# Altium PCB PCB.PcbDoc (part 2 of 10)
Units mil, origin at the board's own origin, x right, y up, seen from the top; angles counter-clockwise.
Board outline 3945.89 x 2165.35 mil, 8 copper layers (Component Side, PWR, Signal 1, Signal 2, GND1, Signal 3, GND2, Solder Side), stack 68.504 mil thick; 329 components, 323 nets, 1378 pads, 692 vias.
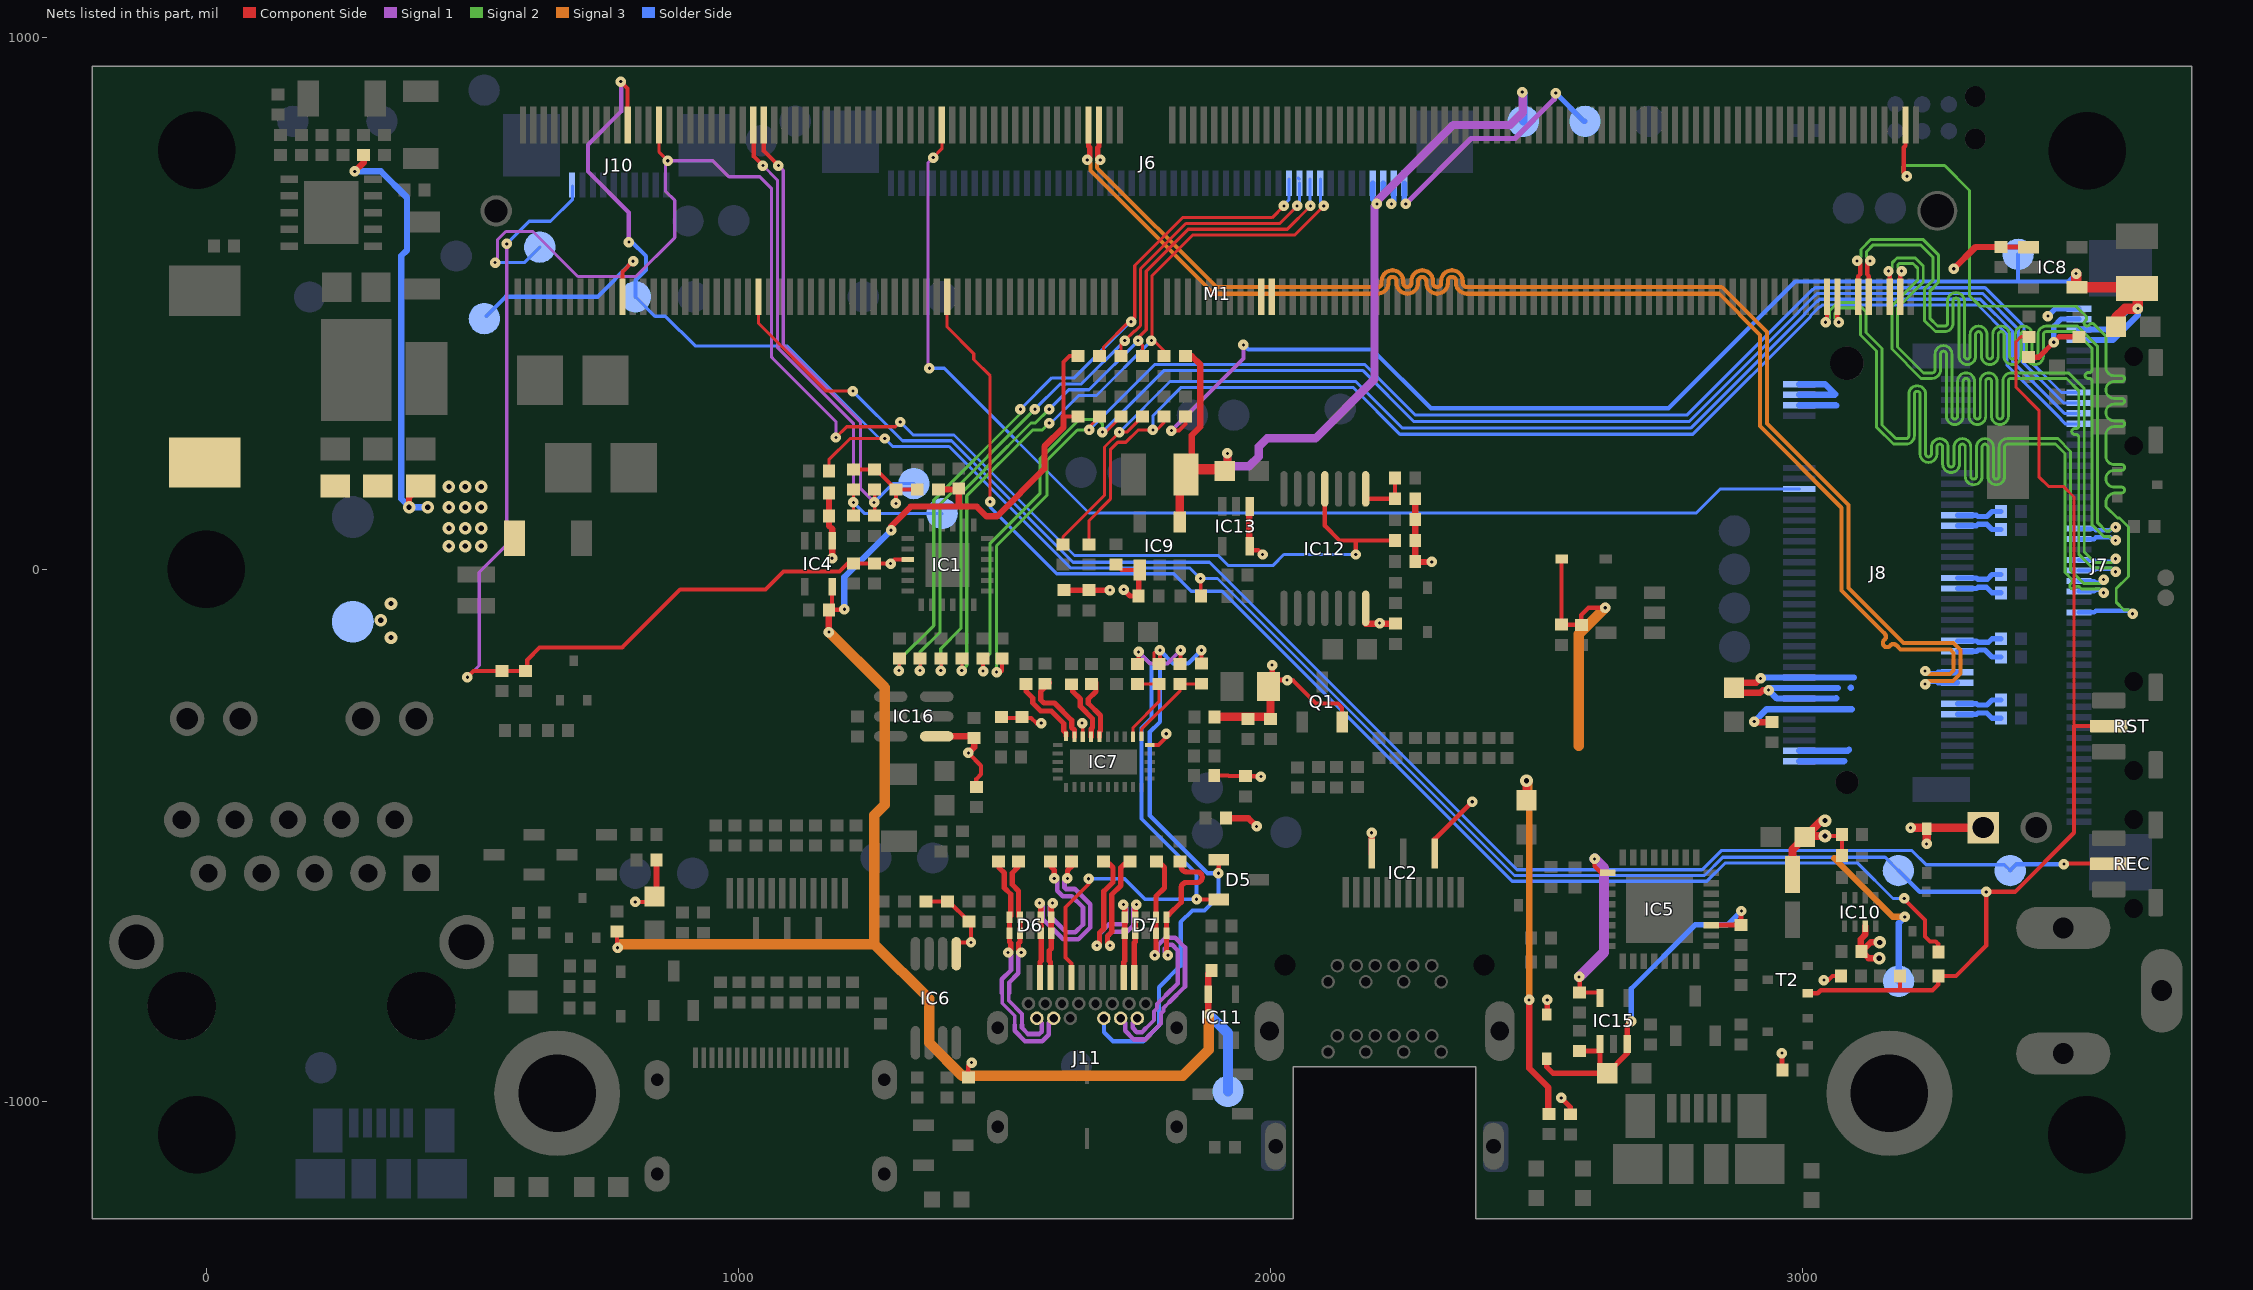
[diagram p8: the nets of this part, all layers, seen from the top]

## Part data
BAT1: library part battery, "Rechargeable Battery, Coin Cell, Single Cell, 3 V, Lithium Manganese Dioxide, 5.5 mAh, Button Cell"
BOOT LED1 NVME PWR USER: library part LED, "LED Green 0603 case"
C1 C2 C3 C4 C55 C57 C62: library part C_4u7_0402, "MLCC SMT Capacitor 4.7uF 0402"
C5 C6 C7 C8 C9 C12 C19 C26 C27 C30 C33 C36 C37 C38 C39 C40 C42 C43 C44 C45 C46 C48 C49 C50 C51 C52 C53 C54 C68 C69 C70 C71 C72 C73 C74 C75 C76 C77 C78 C79 C80: library part C_100n_0402, "MLCC SMT Capacitor 100n 0402"
C10 C11: library part C_330u_KEMET_B, "Tantalum SMT Capacitor 330uF Case KEMET_B"
C13 C24: library part C_10n_0402, "MLCC SMT Capacitor 10 nF 0402"
C14: library part C_100p_0805, "MLCC SMT Capacitor 100pF 0805"
C15 C29 C64: library part C_47p_0402, "MLCC SMT Capacitor 47pF 0402"
C16 C17 C18 C34: library part C_47u_0805, "MLCC SMT Capacitor 47uF 0805"
C21 C22 C23: library part C_2u2_1206, "MLCC SMT Capacitor 2.2uF 1206"
C25: library part C_4n7_0402, "MLCC SMT Capacitor 4.7 nF 0402"
C28 C32 C66: library part C_1u_0402, "MLCC SMT Capacitor 1uF 0402"
C31: library part C_100u_1206, "MLCC SMT Capacitor 100uF 1206"
C35 C47 C56 C58 C60 C63: library part C_10u_0603, "MLCC SMT Capacitor 10uF 0603"
C41: library part C_47n_0402, "MLCC SMT Capacitor 47nF 0402"
C59 C65 C67: library part C_2u2_0402, "MLCC SMT Capacitor 2.2uF 0402"
C61: library part C_100p_0402, "MLCC SMT Capacitor 100pF 0402"
D1: library part "Diode Schottky", "DIODE SCHOTTKY 60V 7A POWERDI5"
D2 D4 D13 D14 D15 D17: library part diode, "Diode small signal"
D3 D5 D8 D9 D10 D11 D12: "DIODE, SCHOTTKY, 30V, 200MA, SOT-23"
D6 D7: "ESD Suppressors 4-CH"
F1: library part Fuse, "PTC RESET 6V LO RHO 1206 4.50A"
FAN: library part molex_2223-2021, "Pinhead connector with key"
IC1: library part TCA9548A, "TCA9548ARGER  I2C SWITCH W/ RESET, 8-CH, VQFN-24"
IC2 IC18: "8-Channel ESD Protection for DisplayPort and HDMI"
IC3: library part TPS54561, "IC REG BCK SPLIT RAIL ADJ 10WSON"
IC4 IC15: library part TLV700, "Voltage Regulator, 2V to 5.5V, 175mV Dropout, 1.8Vout, 200mAout"
IC5: "USB to serial UART interface"
IC6: library part PCA9517ADP, "IC REDRIVER I2C 1CH 8TSSOP"
IC7: "IC DRP PORT CTLR USB-C 30WQFN"
IC8 IC9: library part LM3671, "DC/DC Buck Converter"
IC10: library part TPS62823, "IC REG BUCK ADJ 1A 8VSON-HR"
IC11: library part SN74LV1T125, "Buffer, 74LV1T125, 1.6 V to 5.5 V, SOT-23-5"
IC12: library part 74HC00PW, "2 NAND Gate, 4 channel"
IC13: library part SN74LVC1G126, "Buffer, tri-state"
IC16: "POWER LOAD SWITCH, HIGH SIDE"
IC17: library part AT24CS01, "EEPROM Serial-I2C 1K-bit 128 x 8 1.8V/2.5V/3.3V/5V"
J1: library part WE_685119136923, "CONN HDMI FEMALE R/A 19POS 2.6MM"
J2: library part miniDP, "Mini Displayport Reverse Offset"
J3: library part WE_7499111447, "LAN-Transformer WE-RJ45LAN 10/100/1000 BaseT"
J4: "DC Power Connector, Jack, 5 A, 2 mm, PCB Mount, Through Hole"
J5 J9: library part "Micro USB B", "USB - micro B Receptacle Connector 5 Position Surface Mount, Right Angle, Horizontal"
J6: "0.50mm SMT ZIF Horizontal Bottom Contact WR-FPC"
J7: "0.50mm SMT ZIF Horizontal Top Contact WR-FPC"
J8: "CONN FEMALE 67POS 0.020 GOLD"
J10: "Flex tape connector, Horizontal, ZIF, 10 contacts"
J11: library part WE_632723100011, "USB 3.1 Type C Receptacle Horizontal THR WR-COM"
L1: library part WE_7447798720, "Fixed Inductors WE-PDF 1064 7.2uH 7.9A 12.8mOhm"
L2 L3: "MURATA  BLM18EG221SN1D  FERRITE BEAD, 0.05OHM, 2A, 0603"
L4 L6: "INDUCTOR, 2.2 ?H, ? 30%, 1212, 90 MHz, 0.073 ohm"
L5: "FIXED IND 470NH 6.7A 15 MOHM SMD"
L7 L8 L9 L10: "FERRITE BEAD, 0.025OHM, 3A, 0603"
M1: library part jetson-nano-new-release
M2: library part jetson-nano-module
Q1: library part PMOS, "P CH, 20V, 4A"
R1 R2 R3 R4 R7 R8 R9 R10: library part R_5R6_0402, "RES, 5R6, 0402"
R5 R6 R11 R18 R22 R24 R25 R27 R28 R29 R33 R34 R35 R37 R55 R69 R70 R73 R81 R83 R88: library part R_2k_0402, "RES, 2k, 0402"
R12 R13 R15 R17 R19 R21 R23 R39 R42 R47 R49 R56 R57 R58 R59 R60 R61 R62 R63 R64 R65 R66 R68 R71 R75 R78 R79 R80 R82 R89 R91 R92 R98 R99 R103 R104 R105 R106 R107 R108 R109 R110 R129 R130 R132: library part R_0R_0402, "RES, 0R, 0402"
R14 R43 R97 R111: library part R_470R_0402, "RES, 470R, 0402"
R16 R36 R87: library part R_1k_0402, "RES, 1k, 0402"
R20 R41: library part R_22R_0402, "RES, 22R, 0402"
R26 R30 R77 R100 R101 R113 R119: library part R_100k_0402, "SMT Resistor 100k 0402"
R31 R32: library part R_1M_0402, "SMT Resistor 1M 0402"
R38 R40 R128: library part R_220R_0402, "RES, 220R, 0402"
R44 R134: library part R_243k_0402, "RES, 243k, 0402"
R45: library part R_49R9_0402, "RES, 49R9, 0402"
R46 R135: library part R_53k6_0402, "RES, 53k6, 0402"
R48: library part R_16k9_0402, "RES, 16k9, 0402"
R50 R52: library part R_10k2_0402, "RES, 10k2, 0402, 0.1%"
R51: library part R_909k_0402, "RES, 909k, 0402"
R53 R67 R84 R86: library part R_200k_0402, "RES, 200k, 0402"
R54 R72 R76 R90 R93 R94 R95 R96 R102 R112 R114 R115 R116 R131: library part R_10k_0402, "RES, 10k, 0402"
R85: library part R_470k_0402, "SMT Resistor 470k 0402"
REC RST USR: "E-SWITCH  TL3340AF160QG  SWITCH, TACTILE SPST 50mA, SMD GULL WING"
SP1 SP2 SP3 SP4 SP5 SP6: library part SPACER, "M2.5-6mm"
SP7: "RND STANDOFF M2.5X0.45 STEEL 4MM"
T1 T2 T3 T4 T5 T6: library part NMOS, "MOSFET, N CH, 60V, 0.2A"
TP1 TP2 TP3 TP4 TP5 TP6 TP7 TP8 TP9 TP10 TP11 TP12 TP13 TP14 TP15 TP16 TP17 TP18 TP19 TP20 TP21 TP22 TP23 TP24 TP25 TP26 TP27 TP28 TP29 TP31 TP32 TP33 TP34 TP35 TP36 TP37 TP38 TP39 TP40 TP41 TP42 TP43 TP44 TP45 TP47: "Testpad, round, 1.5mm"

## Free pads (board coordinates)
  round 78.74 smd far side: 0(275.59,-98.43) 0(275.59,98.43)
  rrect50% 47.24x94.49 smd far side: 0(2005.82,-1083.3) 0(2423.45,-1084.96)

## Via types
v1: diameter 19.68, hole 5.91, Component Side to Solder Side, 599 vias
v2: diameter 23.62, hole 9.84, Component Side to Solder Side, 90 vias
v3: diameter 19.68, hole 7.87, Component Side to Solder Side, 3 vias

## Nets (pads, with @x,y where several pads share a name; then routed paths per layer and width w, separated by ;. In a path a pad name is that pad's centre, name@x,y a point inside that pad or via, vN(x,y) a via of type N, cw(c..) or ccw(c..) an arc to the next point about the centre after c; other vN are vias at no path point)
1V8_DBG: C66.2 IC5.1 IC15.5 | length 370
  Component Side w7.87: v1(2580.33,-766) 2581.33,-767 C66.2@2581.33,-795.1 2619.33,-795.1 IC15.5@2619.33,-805.38 ; v1(2609.33,-544) 2609.33,-558 2621.43,-570.1 IC5.1@2633.89,-570.1
  Signal 1 w19.68: v1(2580.33,-766) 2627,-719.33 2627,-561.67 v1(2609.33,-544)
1V8_SYS: C5.2 C28.2 IC4.5 IC11.5 R23.2 R79.2 R81.1 R112.1 R114.2 TP47.1 | length 3272.7
  Component Side w7.87: R81.1@772.33,-680.9 772.33,-710 v1(773.33,-711) ; IC4.5@1176.33,-32.61 1176.33,-69.9 C28.2@1170.23,-76 1198.33,-76 v1(1199.33,-75) ; R79.2@1638.33,287.1 1611.33,287.1 1611.33,390 1622.23,400.9 R23.2@1638.33,400.9
  Component Side w11.81: C28.2@1170.23,-76 1170.23,-117.9 v1(1170.33,-118) ; v1(1287.29,73.57) 1287.29,80.97 1324.33,118 1448.33,118 1466.33,100 1486.33,100 1575.33,189 1575.33,231 1611.33,267 1611.33,287.1 ; R112.1@1376.33,150.1 1412.33,150.1 R114.2@1414.33,152.1 1414.33,120 ; v1(1884.33,-836) 1883.33,-835 IC11.5@1883.33,-798.38 1883.33,-760.1 C5.2@1889.43,-754
  Signal 2 w7.87: v1(773.33,-711) v1@776.33,-708
  Signal 3 w19.68: v1(773.33,-711) 779.96,-704.36 1255.69,-704.36 ; v1(1170.33,-118) 1171.33,-118 1275.33,-222 1275.33,-442.65 1255.69,-462.28 1255.69,-704.36 ; v1(1884.33,-836) 1884.33,-903 1835.72,-951.6 1420.48,-951.6 1358.53,-889.66 1358.53,-807.2 1255.69,-704.36
  Solder Side w11.81: v1(1199.33,-75) 1199.33,-14.4 v1(1287.29,73.57)
  Solder Side w19.68: v1(1884.33,-836) 1920.33,-872 TP47.1@1920.33,-981
3V3_FFC1: C58.2 IC9.4 J6.47 J6.48 L6.2 R78.2 TP45.1 | length 1688.7
  Component Side w11.81: R78.2@1841.23,400 R78.2@1840.33,400.9 1852.43,400.9 1868.33,385 1868.33,268 1852.33,252 1852.33,188.93 1851.31,187.91 L6.2@1841.41,178.01
  Component Side w15.75: IC9.4@1829.6,89.43 1829.6,168.17 L6.2@1845.82,184.39 ; C58.2@1914.24,185 1919.33,190.09 v1(1919.33,218)
  Component Side w19.68: L6.2@1851.31,187.91 C58.2@1915.33,187.91
  Signal 1 w15.75: v1(1919.33,218) 1919.33,202 1927.33,194 1960.33,194 1978.33,212 1978.33,231 1993.69,246.36 2084.71,246.36 2195.69,357.35 2195.69,682.36 v1(2200.33,687) 2200.33,692.02 2343.43,835.12 2450.45,835.12 2474.33,859 2474.33,896 v1(2473.33,897)
  Solder Side w9.84: J6.47@2192.33,725.63 2192.33,695 v1(2200.33,687) 2200.33,695 2212.01,706.69 J6.48@2212.01,725.63
  Solder Side w15.75: v1(2473.33,897) 2475.33,895 TP45.1@2475.33,842.01
3V3_FFC2: C56.2 IC8.4 J7.47 J7.48 L4.2 R80.2 TP43.1 | length 2545.8
  Component Side w7.87: v1(1814.01,261) 1828.33,261 1840.33,273 R80.2@1840.33,287.1
  Component Side w19.68: v1(3514.33,556) 3514.33,531.88 IC8.4@3515.6,530.6 3625.52,530.6 L4.2@3628.33,527.79 3630.33,525.79 v1(3630.33,490) 3606.33,490 3589.24,472.91 C56.2@3589.24,456
  Signal 1 w7.87: v1(1814.01,261) 1949.33,396.32 v1(1949.33,422)
  Solder Side w7.87: v1(1949.33,422) 1958.33,413 2191.33,413 2301.58,302.75 2748.07,302.75 2986.43,541.1 3348.18,541.1 3348.28,541 3405.33,541 ; TP43.1@3405.33,592 3405.33,541 ; v1(3514.33,556) 3499.33,541 3405.33,541
  Solder Side w11.81: J7.47@3519.48,430.99 3583.32,430.99 3630.33,478 v1(3630.33,490) 3614.33,490 3575,450.67 J7.48@3519.48,450.67
3V3_SYS: C9.2 C26.1 C33.1 C36.2 C46.2 C47.2 C60.2 C61.2 D15.A IC1.21 IC6.1 IC7.8 J8.2 J8.4 J8.12 J8.14 J8.16 J8.18 J8.70 J8.72 J8.74 J10.1 L5.2 L10.1 R11.1 R34.1 R35.1 R38.2 R39.2 R40.2 R53.2 R69.1 R70.1 R88.1 R115.2 R116.2 R119.1 R128.2 R134.1 TP41.1 | length 5422.5
  Component Side w5.91: v1(1646.21,-288.9) 1647.39,-290.07 IC7.8@1647.39,-314.49
  Component Side w7.87: v1(491.03,-202.66) 502.59,-191.1 R38.2@556.33,-191.1 R40.2@600.33,-191.1 603.33,-188.1 603.33,-170 626.65,-146.68 781.78,-146.68 890.77,-37.69 1051.14,-37.69 1084.83,-4 1190.11,-4 1205.01,10.9 R39.2@1216.33,10.9 C9.2@1256.33,10.9 v1(1286.23,10.9) 1293.8,18.48 IC1.21@1318.32,18.48 ; R34.1@1216.33,187.9 R35.1@1256.33,187.9 1258.53,187.9 R115.2@1296.33,150.1 ; v1(1296.33,124) R115.2@1296.33,150.1 ; R116.2@1336.33,150.1 R115.2@1296.33,150.1 ; R11.1@1352.83,-624.1 R88.1@1393.08,-624.1 1395.53,-624.1 C26.1@1433.33,-661.9 1437.33,-661.9 v1(1437.33,-701) 1409.71,-701 IC6.1@1409.71,-722.34 ; C33.1@1495.33,-279.1 1550.43,-279.1 1560.33,-289 v1(1569.33,-289) ; R70.1@1894.56,-387.11 1920.45,-387.11 1921.69,-388.35 1953.19,-388.35 R69.1@1953.45,-388.62 1981.36,-388.62 v1(1982.04,-389.29) ; D15.A@2547.42,19.59 2547.03,19.21 C36.2@2547.03,-103.93 2584.16,-103.93 R119.1@2584.33,-104.1 2584.33,-85.74 2598.07,-72 v1(2629.33,-72) ; v2(3042.33,-501) 3071.43,-501 C61.2@3074.43,-498 R134.1@3074.43,-538
  Component Side w11.81: v1(2486.33,-809) 2486.33,-937.6 2522.27,-973.54 2522.27,-1022.36 R128.2@2523.45,-1023.54 ; v1(2909.33,-286) 2910.43,-287.1 C46.2@2942.33,-287.1 ; v1(2921.33,-205) 2913.33,-213 2880.58,-213 C47.2@2871.33,-222.25 2881.07,-232 2920.33,-232 2925.33,-227 v1(2936.33,-227)
  Component Side w15.75: L10.1@2481.33,-433.91 v2(2481.33,-397) ; L5.2@2981.33,-573.5 2981.33,-526.09 C60.2@3004.42,-503 C60.2@3006.42,-501 ; v2(3042.33,-501) C60.2@3006.42,-501 ; v2(3042.33,-472) 3035.42,-472 C60.2@3006.42,-501
  Signal 1 w6: v1(491.03,-202.66) 513.01,-180.69 513.01,-5.36 564.96,46.6 v1(564.96,611.67)
  Signal 2 w7.87: v1@1569.33,-289.12 v1@1569.55,-288.9
  Signal 3 w11.81: v2(2481.33,-397) 2486.33,-402 v1(2486.33,-809) ; 3059.86,-543 3169.86,-653 v1(3192.33,-653)
  Signal 3 w19.68: 2579.37,-331.11 2579.37,-121.96 v1(2629.33,-72)
  Solder Side w6: v1(564.96,611.67) 565.15,611.86 565.15,612.18 607.08,654.11 647.01,654.11 688.7,695.8 J10.1@688.7,720.24
  Solder Side w11.81: v1(2909.33,-286) 2932.33,-263 3092.33,-263 ; v1(2921.33,-205) 2923.33,-203 3096.33,-203 ; J8.2@2994.02,-360.75 3077.58,-360.75 3078.33,-360 ; J8.4@2994.02,-341.06 3085.27,-341.06 3087.33,-339 ; J8.70@2994.02,308.54 3062.79,308.54 3063.33,308 ; J8.72@2994.02,328.23 3060.56,328.23 3061.33,329 3042.42,347.91 J8.74@2994.02,347.91 ; 3063.33,-242 3062.69,-242.64 2951.97,-242.64 v1(2936.33,-227) 2940.38,-222.95 3066.28,-222.95 3066.33,-223 ; 3090.86,-222.47 3091.33,-222 ; TP41.1@3180.66,-774 3180.66,-664.67 v1(3192.33,-653)
5V0_DBG: C67.2 C72.2 D17.C IC5.19 IC15.1 IC15.3 L3.2 | length 760.5
  Component Side w9.84: D17.C@2519.33,-919.53 2519.33,-935 2531.33,-947 L3.2@2633.24,-947 ; C67.2@2581.33,-904.9 IC15.1@2619.33,-904.9 ; IC15.1@2619.33,-892 IC15.1@2619.33,-904.9 ; v1(2678.33,-849) 2670.51,-856.82 IC15.3@2670.51,-892 2670.51,-909.73 L3.2@2633.24,-947 ; IC5.19@2828.77,-668.53 2883.9,-668.53 C72.2@2884.33,-668.1 2884.33,-643 v1(2885.33,-642) ; IC15.1@2619.33,-904.9 2619.33,-933.08 L3.2@2633.24,-947
  Solder Side w9.84: v1(2678.33,-849) 2678.33,-788 2798.33,-668 2859.33,-668 v1(2885.33,-642)
5V0_SYS: C16.2 C17.2 C18.2 C32.2 C34.2 C55.2 C57.2 C59.2 C65.2 C71.2 D14.C D17.A F1.1 FAN.1 IC2.13 IC2.15 IC4.1 IC7.30 IC8.1 IC9.1 IC10.7 IC12.14 IC13.1 IC13.5 IC16.1 J6.49 J6.50 J7.49 J7.50 L1.2 L9.1 pad.0@275.59,-98.43 Q1.2 R14.2 R16.1 R36.2 R42.1 R43.2 R45.2 R47.2 R54.1 R55.1 R67.2 R71.2 R75.2 R77.2 R84.2 R86.2 R89.2 R91.2 R92.1 R97.2 R101.2 R111.2 TP42.1 | length 3919.9
  Component Side w7.87: v1(806.42,-625) 835.5,-625 845.42,-615.09 L9.1@843.79,-613.46 ; R43.2@1432.33,-955.1 1432.33,-933 v1(1438.33,-927) ; v1(1432.33,-345) 1456.33,-369 1456.33,-385 1447.33,-394 R47.2@1447.33,-409.1 ; R91.2@1709.52,9.51 1720.15,-1.12 IC9.1@1754.79,-1.12 ; IC7.30@1773.38,-330.23 1789.8,-330.23 1803.04,-317 1803.33,-317 1804.33,-316 v1(1804.33,-309) ; IC13.5@1960.92,43.6 1968.52,36 1977.33,36 v1(1985.33,28) ; C34.2@1980.33,-203.55 C34.2@1996.78,-220 ; v1(2031.33,-208) 2041.89,-208 2085.89,-252 2126.79,-252 2134.73,-259.94 Q1.2@2134.73,-286.4 ; v1(3040.33,-772) 3048.33,-772 3056.33,-764 R75.2@3072.43,-764
  Component Side w9.84: R77.2@1612.33,-39.1 v1@1691.43,-39.1 ; v1(1724.33,-38) 1736.33,-50 C57.2@1752.43,-50 1752.43,-3.49 IC9.1@1754.79,-1.12 ; C34.2@1996.78,-220 2003.33,-213.45 v1(2003.33,-180) ; C34.2@1997.88,-208 v1(2031.33,-208) ; IC2.13@2308.81,-533.97 2308.81,-507.22 v1(2379.38,-436.66) ; D17.A@2519.33,-836.46 2520.33,-835.46 v1(2520.33,-809) ; v1(2546.68,-993.23) 2563.61,-1010.16 R14.2@2563.61,-1023.94 ; v1(2961.33,-909) 2961.33,-939.9 R97.2@2962.43,-941 ; C55.2@3373.33,605.9 3425.05,605.9 IC8.1@3425.05,605.4 ; R111.2@3424.33,398.9 3444.23,398.9 v1(3472.33,427) 3482.43,437.1 R89.2@3519.33,437.1
  Component Side w11.81: v1(279.33,748) 295.95,764.62 R45.2@295.95,778.64 ; v2@381.33,116 381.33,135.47 C16.2@402.96,157.1 ; L9.1@842.33,-614.91 843.79,-613.46 846.23,-611.01 R71.2@846.23,-546 ; R92.1@1170.23,144 1170.33,143.9 1170.33,82 1176.33,76 IC4.1@1176.33,54 v1(1176.33,21) ; IC16.1@1372.95,-313.81 C32.2@1442.6,-313.81 ; v1(1432.33,-345) 1443.33,-334 C32.2@1443.33,-316.9 ; R67.2@1916.18,-467.67 1958.75,-467.67 v1(1974.16,-483.08) ; IC13.5@1960.92,43.6 1960.33,44.19 1960.33,117.81 IC13.1@1960.92,118.4 ; IC12.14@2179.1,-73.2 2179.1,-102.1 C71.2@2235.33,-102.1 ; v1(2190.3,-494.98) 2190.3,-533.57 IC2.15@2190.7,-533.97 ; R84.2@2272.23,132.75 R16.1@2272.23,93.5 R86.2@2272.23,54.25 R36.2@2272.23,15 2272.23,14 v1(2303.33,14) ; IC10.7@3118.17,-670.57 3118.17,-686.16 3109.33,-695 3109.33,-716.1 C59.2@3111.23,-718 ; v2(3144.33,-731) 3124.23,-731 C59.2@3111.23,-718 ; v2(3145.33,-701) 3128.23,-701 C59.2@3111.23,-718 ; v1(3284.33,565) 3325.23,605.9 C55.2@3373.33,605.9
  Component Side w15.75: R55.1@1895.23,-277 1996.23,-277 R101.2@2000.33,-281.1 C34.2@2000.33,-223.55 ; C34.2@1999.75,-222.97 C34.2@2000.33,-223.55 ; C34.2@2008.78,-232 C34.2@2000.33,-223.55 ; v1(3203.33,-485.53) 3231.4,-485.53 D14.C@3233.33,-487.46 ; v1(3233.33,-516) D14.C@3233.33,-487.46 ; FAN.1@3339.4,-485.2 3235.6,-485.2 D14.C@3233.33,-487.46
  Signal 1 w9.84: v1(2254.33,687) 2377.33,810 2459.87,810 2533.33,883.46 2533.33,892 v1(2536.33,895)
  Solder Side w9.84: v1(2227.33,687) 2231.7,691.38 J6.49@2231.7,725.63 ; J6.50@2251.38,725.63 2251.38,689.95 v1(2254.33,687) ; v1(2536.33,895) 2589.32,842.01 TP42.1@2591.33,842.01 ; v1(3461.33,476) 3475.37,490.04 J7.50@3519.48,490.04 ; v1(3472.33,427) 3472.33,457 3485.69,470.36 J7.49@3519.48,470.36
  Solder Side w11.81: v1(279.33,748) 328.33,748 377.33,699 377.33,600 366.75,589.42 366.75,132.58 382.33,117 v2(416.33,117) ; v2@416.33,116 v2@419.33,116
  other v1: 2205.33,-101 1698.33,-39
  other v2: 347.3,-128.09 328.11,-95.7 347.3,-64.25 456.23,43.78 486.7,43.78 516.81,43.78 456.23,77.53 486.7,77.53 516.81,77.53 381.33,117 456.23,117 486.7,117 516.81,117 456.23,155.15 486.7,155.15 516.81,155.15
#MOD_SLEEP: M1.178 R95.2 | length 2615.4
  Component Side w5.91: M1.178@1392.39,505.74 1392.39,455.66 1442.55,405.5 1442.55,394.37 1473.33,363.58 v1(1473.33,127) ; M1.178@1392.47,505.74 M1.178@1392.47,512.29
  Component Side w7.87: v1(3191.34,-618.39) 3189.72,-618.39 3230.33,-659 3230.33,-690 3239.43,-699.1 3250.33,-699.1 3255.23,-704 R95.2@3255.23,-719
  Solder Side w5.91: v1(1473.33,127) 1473.33,117 1598.5,-8.17 1818.5,-8.17 1851.33,-41 1909.33,-41 2454.39,-586.06 2820.25,-586.06 2854.32,-552 3103.79,-552 3170.19,-618.39 v1(3191.34,-618.39)
#PWR_BUTTON: M1.240 TP31.1 | length 397
  Component Side w7.87: M1.240@782.23,512.29 782.23,559.25 v1(802.19,579.21)
  Component Side w11.81: v1@802.19,575.28 v1(802.19,579.21)
  Solder Side w7.87: TP31.1@526.86,476.47 562.68,512.29 735.27,512.29 v1(802.19,579.21)
#RECOVERY: M1.214 REC.2 TP39.1 | length 3043.4
  Component Side w5.91: M1.214@1038.14,512.29 1038.14,462.19 1165.33,335 v1@1210.33,335
  Component Side w7.87: v1(3491.33,-554) 3492.34,-552.98 REC.2@3575.44,-552.98
  Solder Side w5.91: v1(1215.33,335) 1308.5,241.83 1400.81,241.83 1629.16,13.48 1885.47,13.48 2463.36,-564.41 2811.29,-564.41 2847.11,-528.58 3205.91,-528.58 3232.33,-555 3379.33,-555 TP39.1@3390.33,-566
  Solder Side w7.87: TP39.1@3390.33,-566 3402.33,-554 v1(3491.33,-554)
#RESET: M1.239 R76.2 R90.2 R93.2 R94.2 R96.2 RST.2 T2.1 TP29.1 TP37.1 | length 5574.9
  Component Side w5.91: R94.2@1170.23,185 1170.33,185.1 1170.33,206 1210.33,246 v1(1275.33,246) ; v1(1868.33,-17) 1869.23,-17.9 R93.2@1869.23,-50 ; R90.2@3425.33,437.1 3410.43,437.1 3401.33,428 3401.33,342 3444.33,299 3444.33,174 3462.33,156 3490.33,156 3510.33,136 3510.33,-294.52
  Component Side w7.87: v1(779.1,916.65) 792.08,903.67 M1.239@792.08,835.12 ; T2.1@3009.73,-796.59 3028.74,-796.59 3034.33,-791 3182.33,-791 ; R76.2@3183.23,-764 3183.23,-790.1 3182.33,-791 ; RST.2@3575.44,-294.52 3510.33,-294.52 3510.33,-495 3399.33,-606 v1(3345.33,-606) 3345.33,-707 3288.33,-764 R96.2@3255.23,-764 3255.23,-780.1 3244.33,-791 3182.33,-791
  Signal 1 w7.87: v1(779.1,916.65) 779.9,915.85 779.9,860.65 717.28,798.03 717.28,747.59 794.18,670.69 v1@794.18,619.14
  Solder Side w5.91: TP29.1@806.86,512.29 843.28,475.86 862.91,475.86 918.77,420 1091.33,420 1265.33,246 v1(1275.33,246) 1290.33,231 1396.33,231 1624.68,2.66 1848.68,2.66 v1(1868.33,-17) 1900.64,-17 2458.88,-575.23 2815.77,-575.23 2850.01,-541 3155.34,-541 TP37.1@3180.33,-565.98
  Solder Side w7.87: v1(794.32,615.14) 799.84,615.14 826.33,588.64 826.33,562.95 806.86,543.49 TP29.1@806.86,512.29 ; TP37.1@3180.33,-565.98 3220.34,-606 v1(3345.33,-606)